# Altium PCB H-00488.PcbDoc (part 5 of 9) (continued)
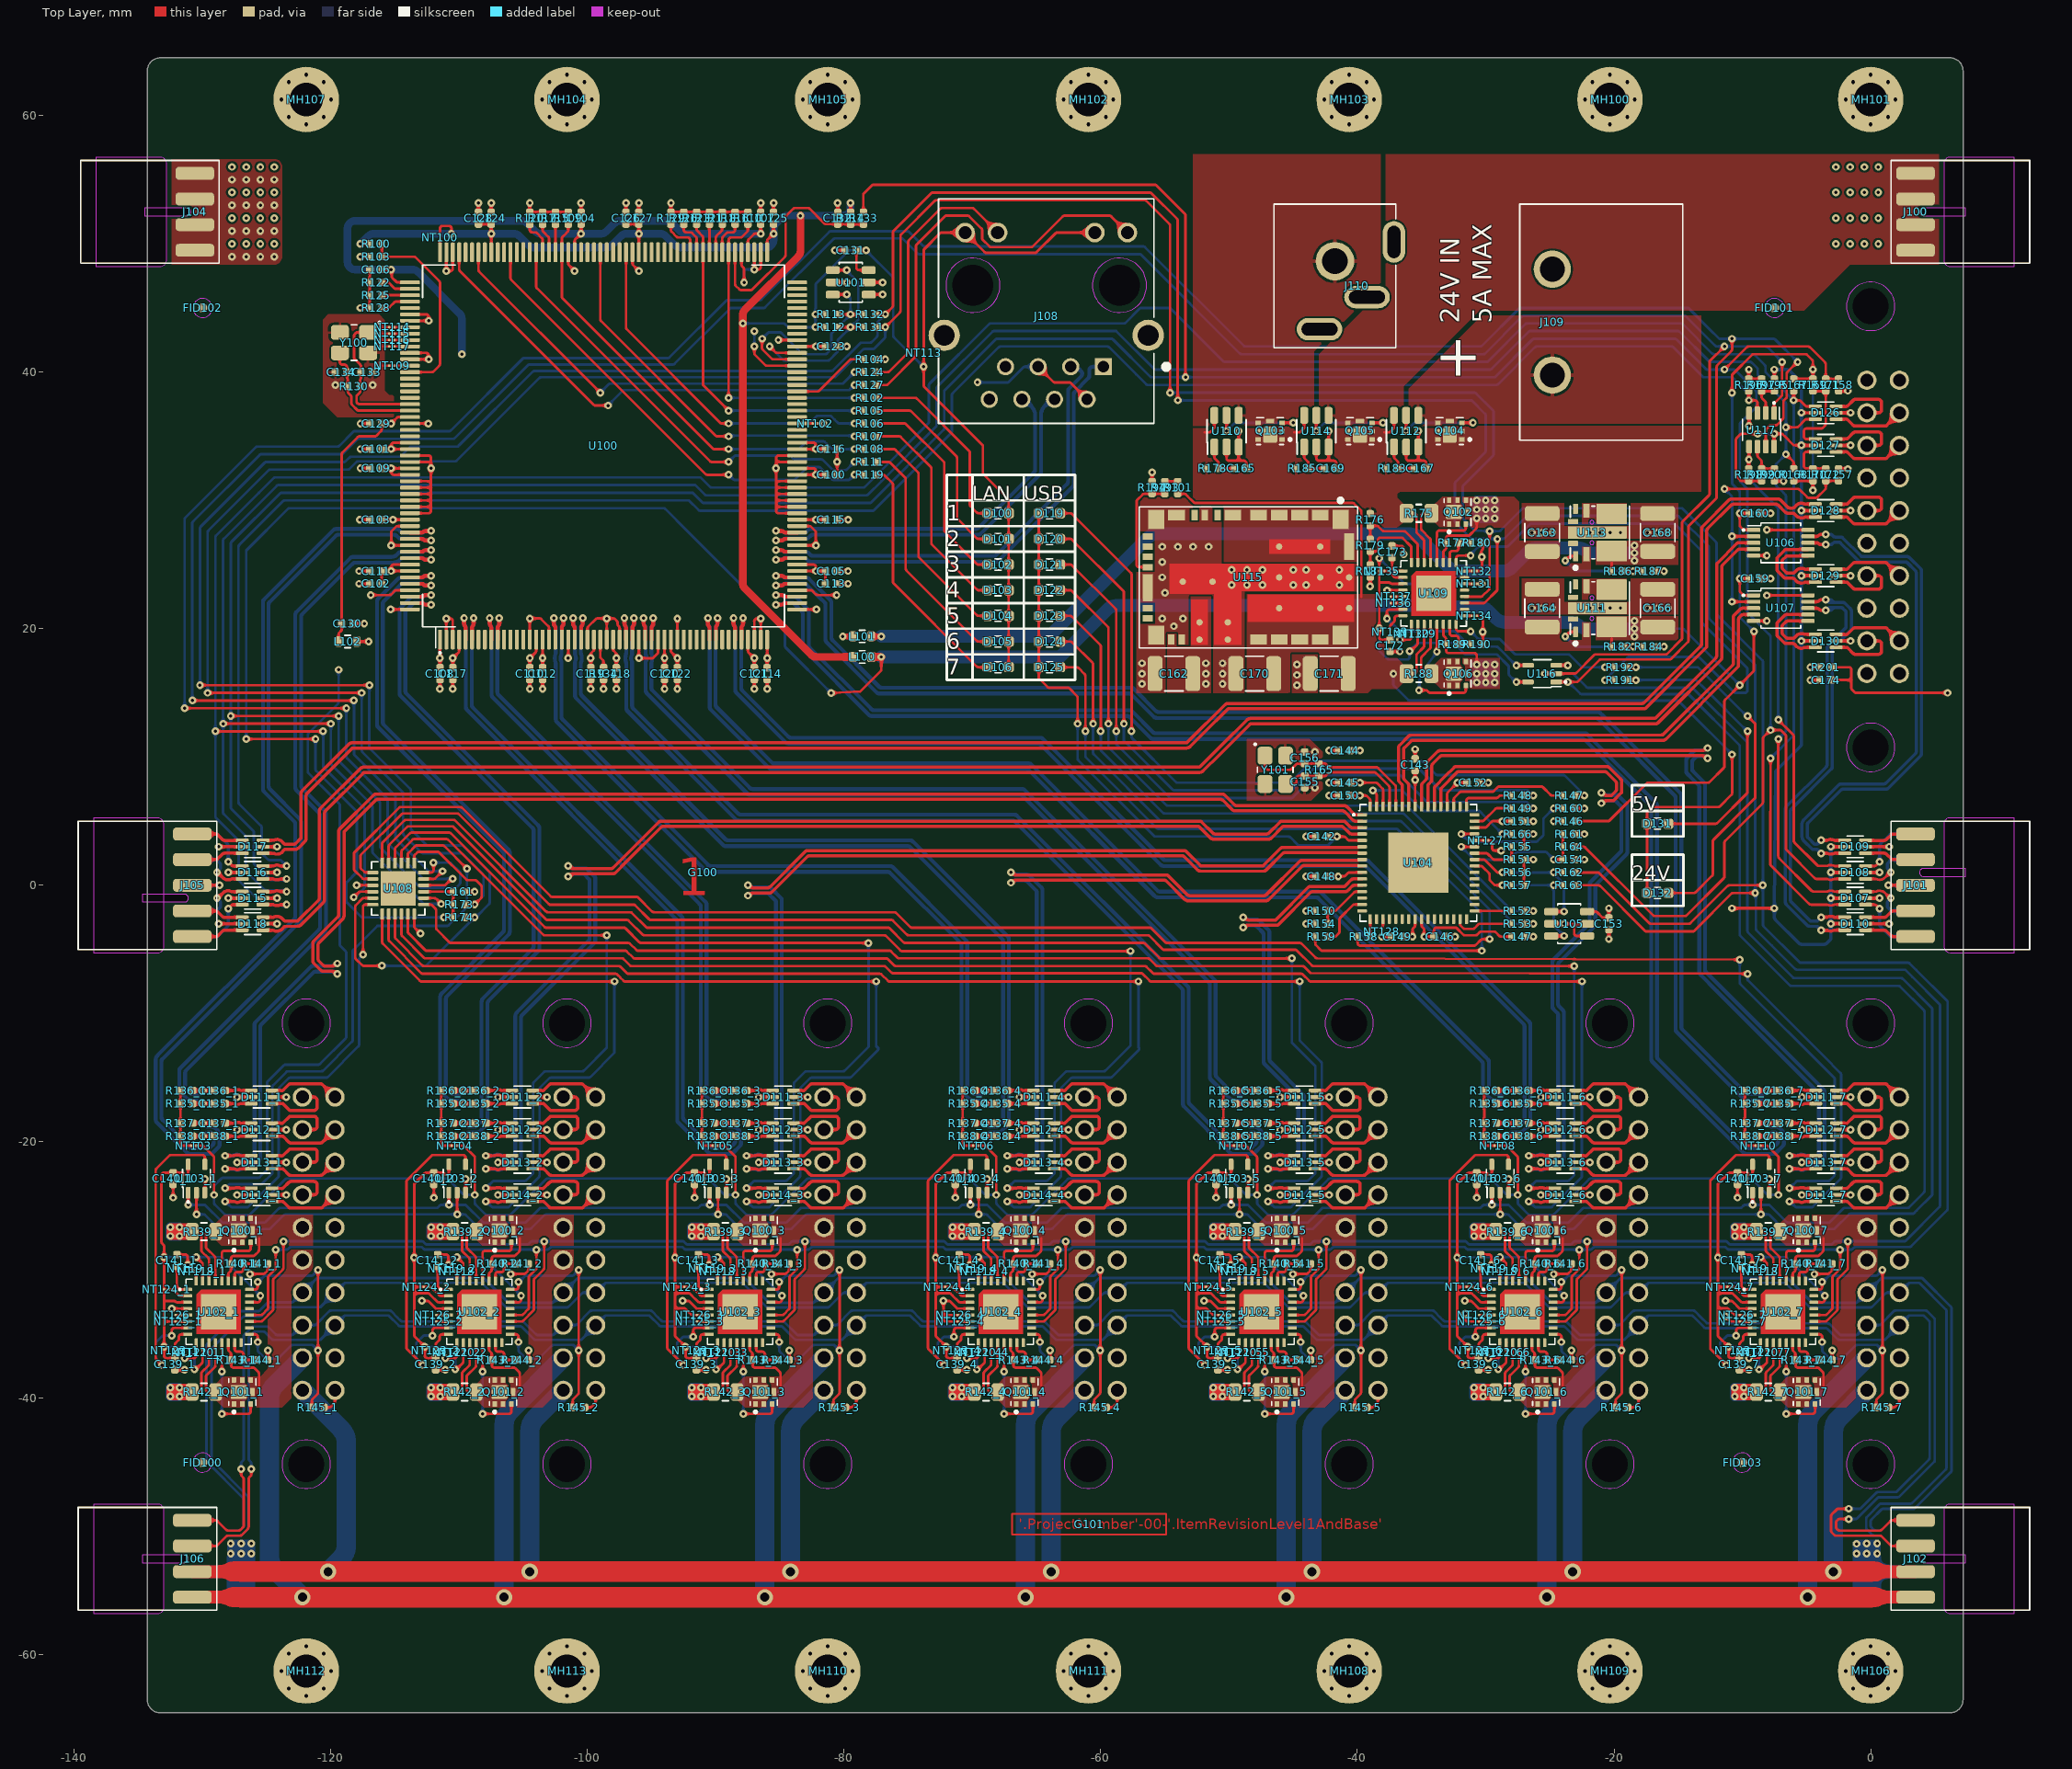
[diagram p0: Top Layer view]
## Nets (pads, with @x,y where several pads share a name; then routed paths per layer and width w, separated by ;. In a path a pad name is that pad's centre, name@x,y a point inside that pad or via, vN(x,y) a via of type N, cw(c..) or ccw(c..) an arc to the next point about the centre after c; other vN are vias at no path point) (continued)
I2C7.SDA: D114_7.6 U108.19 | length 132.3
  Top Layer w0.2: U108.19@-112.775,-1.5 -112.26,-1.5 cw(c-112.26,-1.7) -112.12,-1.558 -111.856,-1.822 cw(c-111.998,-1.963) -111.798,-1.962 -111.798,-3.32 ccw(c-111.598,-3.32) -111.739,-3.461 -110.758,-4.442 ccw(c-110.617,-4.3) -110.618,-4.5 -96.826,-4.5 cw(c-96.826,-4.7) -96.684,-4.559 -96.201,-5.041 ccw(c-96.06,-4.9) -96.06,-5.1 -76.47,-5.1 cw(c-76.47,-5.3) -76.328,-5.159 -75.851,-5.637 ccw(c-75.709,-5.495) -75.709,-5.695 -56.334,-5.695 cw(c-56.334,-5.895) -56.192,-5.754 -55.705,-6.241 ccw(c-55.564,-6.1) -55.564,-6.3 -44.283,-6.3 cw(c-44.283,-6.5) -44.141,-6.359 -43.659,-6.841 v1(-9.6,-6.9)
  Top Layer w0.25: v1(-6.322,-24.638) -5.705,-24.638 cw(c-5.706,-24.888) -5.608,-24.658 ccw(c-5.38,-24.13) -5.14,-24.653 cw(c-5.037,-24.88) -5.039,-24.63 D114_7.6@-4.28,-24.63
  Bottom Layer w0.2: v1(-9.6,-6.9) -9.6,-7.297 ccw(c-9.4,-7.297) -9.542,-7.438 -3.632,-13.348 -2.358,-14.622 cw(c-2.5,-14.763) -2.3,-14.763 -2.3,-22.746 cw(c-2.55,-22.746) -2.373,-22.923 -4.476,-25.026 cw(c-4.654,-24.85) -4.654,-25.1 -5.726,-25.1 cw(c-5.726,-24.85) -5.903,-25.027 -6.291,-24.638 v1(-6.322,-24.638)
I2C.ID-DN: D116.6 R196.2 U117.3 | length 162.1
  Top Layer w0.2: R196.2@-9.5,38.52 -9.5,38.5 -9.5,38 -9.5,37.804 v1(-9.5,37.8) -9.486,37.804 cw(c-9.429,37.612) -9.392,37.809 -9.391,37.809 -9.366,37.804 ccw(c-9.327,38) -9.328,37.8 -9.025,37.8 cw(c-9.025,37.6) -8.825,37.6 U117.3@-8.825,36.8
  Top Layer w0.25: D116.6@-125.295,1.5 -124.536,1.5 ccw(c-124.538,1.75) -124.435,1.523 cw(c-124.195,1) -123.967,1.528 ccw(c-123.869,1.758) -123.87,1.508 v1(-123.458,1.508)
  Bottom Layer w0.2: -123.862,1.912 ccw(c-124.003,1.77) -124.003,1.97 -124.787,1.97 cw(c-124.787,2.17) -124.929,2.029 -125.342,2.442 cw(c-125.2,2.583) -125.4,2.583 -125.4,4.517 ccw(c-125.6,4.517) -125.459,4.659 -127.141,6.341 cw(c-127,6.483) -127.2,6.483 -127.2,26.384 cw(c-127,26.384) -127.142,26.525 -123.725,29.941 cw(c-123.584,29.8) -123.584,30 -92.1,30 -91.359,29.259 ccw(c-91.217,29.4) -91.217,29.2 -77.783,29.2 ccw(c-77.783,29.4) -77.642,29.258 -76.4,30.5 -71.659,35.241 ccw(c-71.8,35.383) -71.6,35.383 -71.6,38.217 cw(c-71.4,38.217) -71.542,38.358 -67.959,41.941 cw(c-67.817,41.8) -67.817,42 -59.483,42 cw(c-59.483,41.8) -59.34,41.94 -57.247,39.847 -56.458,39.058 ccw(c-56.317,39.2) -56.319,39 -29.186,39 ccw(c-29.186,39.2) -29.045,39.058 -26.162,41.941 cw(c-26.02,41.8) -26.02,42 -15.526,42 cw(c-15.526,41.8) -15.384,41.941 -15.267,41.824 -13.101,39.658 ccw(c-12.96,39.8) -12.96,39.6 -10.883,39.6 cw(c-10.883,39.4) -10.741,39.541 -9.559,38.359 cw(c-9.7,38.217) -9.5,38.217 v1(-9.5,37.8) ; -123.862,1.912 v1(-123.458,1.508)
I2C.ID-UP: D108.4 R198.1 U117.5 | length 37.7
  Top Layer w0.2: R198.1@-9.5,32.48 -9.5,32.61 v1(-9.5,33.2) ; v1@-9.5,33.203 cw(c-9.7,33.204) v1(-9.5,33.2) ; U117.5@-9.475,34.2 -9.475,33.225 v1(-9.5,33.2) ; v1(-7.2,12.9) -6.259,11.959 -6.058,11.758 cw(c-6.2,11.617) -6,11.617 -6,3.483 ccw(c-5.8,3.483) -5.941,3.341 -4.181,1.581 ccw(c-4.004,1.758) -4.004,1.508 -3.435,1.508 ccw(c-3.436,1.758) -3.338,1.528 cw(c-3.11,1) -2.87,1.523 ccw(c-2.767,1.75) -2.769,1.5 D108.4@-2.01,1.5
  Bottom Layer w0.2: v1(-9.5,33.2) -9.5,31.781 ccw(c-9.3,31.783) -9.442,31.642 -8.485,30.685 -7.259,29.459 cw(c-7.4,29.317) -7.2,29.317 v1(-7.2,12.9)
I2C.SCL: D107.6 D115.4 D126.4 R167.1 U108.10 | length 243.7
  Top Layer w0.2: v1(-129,12) v1(-120.6,12) ; v1(-118.226,-0.94) -117.845,-0.559 cw(c-117.703,-0.7) -117.704,-0.5 -117.703,-0.5 U108.10@-116.725,-0.5 ; v1(-7.8,9.9) -7.824,1.689 -7.824,1.688 ccw(c-7.574,1.688) -7.752,1.512 ; R167.1@-6,38.52 -6,38.39 v1(-6,37.8) -5.583,37.8 cw(c-5.583,37.6) -5.442,37.742 -5.369,37.669 -5.088,37.388 ccw(c-4.947,37.53) -4.948,37.33 D126.4@-4.305,37.33 ; -3.435,-1.508 cw(c-3.436,-1.758) -3.338,-1.528 ccw(c-3.11,-1) -2.87,-1.523 cw(c-2.767,-1.75) -2.769,-1.5 D107.6@-2.01,-1.5 ; -3.431,-1.508 -4.628,-1.508 cw(c-4.628,-1.258) -4.805,-1.435 -7.751,1.511 ; -7.752,1.512 -7.751,1.511
  Top Layer w0.25: D115.4@-125.295,-1.5 -124.536,-1.5 cw(c-124.538,-1.75) -124.435,-1.523 ccw(c-124.195,-1) -123.967,-1.528 cw(c-123.869,-1.758) -123.87,-1.508 v1(-123.458,-1.508)
  Bottom Layer w0.2: -127.255,3.555 -128.941,5.241 cw(c-128.8,5.383) -129,5.383 v1(-129,12) -129,27.129 cw(c-128.8,27.129) -128.942,27.27 -125.606,30.606 ; -127.255,3.555 cw(c-127.397,3.414) -127.197,3.414 -127.197,0.48 ccw(c-126.997,0.48) -127.138,0.338 ; -127.138,0.338 -125.284,-1.516 ccw(c-125.142,-1.375) -125.142,-1.575 -123.962,-1.575 -123.525,-1.575 v1(-123.458,-1.508) ; -125.6,30.6 -124.459,31.741 cw(c-124.317,31.6) -124.317,31.8 -91.2,31.8 -90.459,31.059 ; v1(-120.6,12) -120.6,9.29 ccw(c-120.4,9.292) -120.541,9.15 -117.428,6.036 cw(c-117.569,5.895) -117.369,5.895 -117.369,-0.107 cw(c-117.569,-0.108) -117.427,-0.25 -118.118,-0.94 v1(-118.226,-0.94) ; -90.458,31.058 ccw(c-90.317,31.2) -90.317,31 -78.528,31 ccw(c-78.528,31.2) -78.387,31.058 -73.459,35.987 ccw(c-73.6,36.128) -73.4,36.128 -73.4,38.963 cw(c-73.2,38.963) -73.342,39.104 -68.704,43.741 cw(c-68.563,43.6) -68.563,43.8 -58.199,43.8 ccw(c-58.199,44) -58.057,43.858 -56.974,44.942 cw(c-56.833,44.8) -56.833,45 -54.683,45 cw(c-54.683,44.8) -54.542,44.942 -50.458,40.858 ccw(c-50.317,41) -50.319,40.8 -29.931,40.8 ccw(c-29.931,41) -29.79,40.858 -26.907,43.741 cw(c-26.766,43.6) -26.766,43.8 -14.781,43.8 cw(c-14.781,43.6) -14.667,43.764 -14.664,43.762 cw(c-14.778,43.598) -14.638,43.741 -12.356,41.459 ccw(c-12.216,41.601) -12.353,41.456 ccw(c-12.214,41.6) -12.214,41.4 -9.184,41.4 cw(c-9.184,41.2) -9.07,41.365 -9.067,41.362 cw(c-9.181,41.198) -9.041,41.341 -9.04,41.34 -8.259,40.559 cw(c-8.4,40.417) -8.2,40.417 -8.2,40.083 ccw(c-8,40.083) -8.141,39.941 v1(-6,37.8) -6,37 -6,11.783 cw(c-6.2,11.783) -6.059,11.641 v1(-7.8,9.9)
I2C.SDA: D107.4 D115.6 D126.6 R168.1 U108.20 | length 242.7
  Top Layer w0.2: v1(-128.4,12.6) v1(-120,12.6) ; U108.20@-112.775,-1 -111.979,-1 cw(c-111.979,-1.326) -111.747,-1.097 -111.456,-1.388 v1(-111.397,-1.447) ; -7.2,2.274 ccw(c-6.95,2.274) -7.127,2.098 -4.61,-0.419 ccw(c-4.434,-0.242) -4.434,-0.492 -3.434,-0.492 ccw(c-3.436,-0.242) -3.338,-0.472 cw(c-3.11,-1) -2.87,-0.477 ccw(c-2.767,-0.25) -2.769,-0.5 D107.4@-2.01,-0.5 ; -7.2,2.275 v1(-7.2,11.4) ; v1(-6.6,35.7) -5.783,35.7 ccw(c-5.783,35.9) -5.641,35.759 -5.129,36.271 cw(c-4.988,36.13) -4.989,36.33 ; v1@-6.442,33.442 -6.136,33.136 -6.058,33.058 cw(c-6.2,32.917) -6,32.917 -6,32.61 R168.1@-6,32.48 ; -4.988,36.33 D126.6@-4.305,36.33
  Top Layer w0.25: D115.6@-125.295,-0.5 -124.536,-0.5 ccw(c-124.538,-0.25) -124.435,-0.477 cw(c-124.195,-1) -123.967,-0.472 ccw(c-123.869,-0.242) -123.87,-0.492 v1(-123.458,-0.492)
  Bottom Layer w0.2: v1(-123.458,-0.492) -123.525,-0.425 -123.962,-0.425 -124.004,-0.383 -125.034,-0.383 cw(c-125.034,-0.183) -125.176,-0.324 -126.567,1.067 cw(c-126.425,1.208) -126.625,1.208 -126.625,3.743 ccw(c-126.825,3.743) -126.685,3.885 -128.341,5.541 cw(c-128.2,5.683) -128.4,5.683 v1(-128.4,12.6) -128.4,26.881 cw(c-128.2,26.881) -128.342,27.022 -124.222,31.141 cw(c-124.081,31) -124.081,31.2 -91.6,31.2 -90.859,30.459 ccw(c-90.717,30.6) -90.717,30.4 -78.283,30.4 ccw(c-78.283,30.6) -78.142,30.458 -77.1,31.5 ; v1(-120,12.6) -120,9.539 ccw(c-119.8,9.54) -119.941,9.399 -116.828,6.285 cw(c-116.969,6.143) -116.769,6.143 -116.769,2.652 ccw(c-116.569,2.652) -116.71,2.51 -112.812,-1.388 ccw(c-112.67,-1.247) -112.67,-1.447 -111.447,-1.447 v1@-111.4,-1.4 ; -77.099,31.499 -72.859,35.738 ccw(c-73,35.88) -72.8,35.88 -72.8,38.714 cw(c-72.6,38.714) -72.742,38.855 -68.456,43.141 cw(c-68.314,43) -68.314,43.2 -59,43.2 -58.8,43.2 -55.859,40.259 ccw(c-55.717,40.4) -55.717,40.2 -29.683,40.2 ccw(c-29.683,40.4) -29.542,40.258 -26.659,43.141 cw(c-26.517,43) -26.517,43.2 -15.028,43.2 cw(c-15.028,43) -14.886,43.141 -12.604,40.858 ccw(c-12.463,41) -12.463,40.8 -9.405,40.8 cw(c-9.405,40.6) -9.264,40.742 -8.859,40.336 cw(c-9,40.195) -8.8,40.195 -8.8,39.883 ccw(c-8.6,39.883) -8.742,39.742 -6.658,37.658 cw(c-6.8,37.517) -6.6,37.518 ; v1(-7.2,11.4) -6.659,11.941 ccw(c-6.8,12.083) -6.6,12.083 -6.6,30.317 ccw(c-6.8,30.317) -6.658,30.458 -6.789,30.589 -7.342,31.142 cw(c-7.2,31.283) -7.4,31.283 -7.4,32.718 cw(c-7.2,32.717) -7.342,32.858 v1(-6.6,33.6) ; v1(-6.6,33.6) v1(-6.6,35.7) -6.6,37.517
I2C_EXT_SCL_1: D114_1.3 J103_1.B4 | length 5.7
  Top Layer w0.2: D114_1.3@-124.59,-23.63 -123.835,-23.63
  Top Layer w0.25: -123.835,-23.63 ccw(c-123.835,-23.43) -123.693,-23.571 -123.283,-23.161 cw(c-123.106,-23.338) -123.106,-23.088 -121.321,-23.088 cw(c-121.321,-23.338) -121.071,-23.339 -121.071,-23.879 cw(c-121.321,-23.88) -121.321,-24.13 J103_1.B4@-122.22,-24.13
I2C_EXT_SCL_2: D114_2.3 J103_2.B4 | length 5.7
  Top Layer w0.2: D114_2.3@-104.27,-23.63 -103.515,-23.63
  Top Layer w0.25: -103.515,-23.63 ccw(c-103.515,-23.43) -103.373,-23.571 -102.963,-23.161 cw(c-102.786,-23.338) -102.786,-23.088 -101.001,-23.088 cw(c-101.001,-23.338) -100.751,-23.339 -100.751,-23.879 cw(c-101.001,-23.88) -101.001,-24.13 J103_2.B4@-101.9,-24.13
I2C_EXT_SCL_3: D114_3.3 J103_3.B4 | length 5.7
  Top Layer w0.2: D114_3.3@-83.95,-23.63 -83.195,-23.63
  Top Layer w0.25: -83.195,-23.63 ccw(c-83.195,-23.43) -83.053,-23.571 -82.643,-23.161 cw(c-82.466,-23.338) -82.466,-23.088 -80.681,-23.088 cw(c-80.681,-23.338) -80.431,-23.339 -80.431,-23.879 cw(c-80.681,-23.88) -80.681,-24.13 J103_3.B4@-81.58,-24.13
I2C_EXT_SCL_4: D114_4.3 J103_4.B4 | length 5.7
  Top Layer w0.2: D114_4.3@-63.63,-23.63 -62.875,-23.63
  Top Layer w0.25: -62.875,-23.63 ccw(c-62.875,-23.43) -62.733,-23.571 -62.323,-23.161 cw(c-62.146,-23.338) -62.146,-23.088 -60.361,-23.088 cw(c-60.361,-23.338) -60.111,-23.339 -60.111,-23.879 cw(c-60.361,-23.88) -60.361,-24.13 J103_4.B4@-61.26,-24.13
I2C_EXT_SCL_5: D114_5.3 J103_5.B4 | length 5.7
  Top Layer w0.2: D114_5.3@-43.31,-23.63 -42.555,-23.63
  Top Layer w0.25: -42.555,-23.63 ccw(c-42.555,-23.43) -42.413,-23.571 -42.003,-23.161 cw(c-41.826,-23.338) -41.826,-23.088 -40.041,-23.088 cw(c-40.041,-23.338) -39.791,-23.339 -39.791,-23.879 cw(c-40.041,-23.88) -40.041,-24.13 J103_5.B4@-40.94,-24.13
I2C_EXT_SCL_6: D114_6.3 J103_6.B4 | length 5.7
  Top Layer w0.2: D114_6.3@-22.99,-23.63 -22.235,-23.63
  Top Layer w0.25: -22.235,-23.63 ccw(c-22.235,-23.43) -22.093,-23.571 -21.683,-23.161 cw(c-21.506,-23.338) -21.506,-23.088 -19.721,-23.088 cw(c-19.721,-23.338) -19.471,-23.339 -19.471,-23.879 cw(c-19.721,-23.88) -19.721,-24.13 J103_6.B4@-20.62,-24.13
I2C_EXT_SCL_7: D114_7.3 J103_7.B4 | length 5.7
  Top Layer w0.2: D114_7.3@-2.67,-23.63 -1.915,-23.63
  Top Layer w0.25: -1.915,-23.63 ccw(c-1.915,-23.43) -1.773,-23.571 -1.363,-23.161 cw(c-1.186,-23.338) -1.186,-23.088 0.599,-23.088 cw(c0.599,-23.338) 0.849,-23.339 0.849,-23.879 cw(c0.599,-23.88) 0.599,-24.13 J103_7.B4@-0.3,-24.13
I2C_EXT_SDA_1: D114_1.1 J103_1.A4 | length 5.5
  Top Layer w0.25: D114_1.1@-124.59,-24.63 -123.835,-24.63 cw(c-123.835,-24.83) -123.693,-24.689 -123.292,-25.09 ccw(c-123.115,-24.913) -123.115,-25.163 -120.817,-25.163 ccw(c-120.817,-24.913) -120.64,-25.09 J103_1.A4@-119.68,-24.13
I2C_EXT_SDA_2: D114_2.1 J103_2.A4 | length 5.5
  Top Layer w0.25: D114_2.1@-104.27,-24.63 -103.515,-24.63 cw(c-103.515,-24.83) -103.373,-24.689 -102.972,-25.09 ccw(c-102.795,-24.913) -102.795,-25.163 -100.497,-25.163 ccw(c-100.497,-24.913) -100.32,-25.09 J103_2.A4@-99.36,-24.13
I2C_EXT_SDA_3: D114_3.1 J103_3.A4 | length 5.5
  Top Layer w0.25: D114_3.1@-83.95,-24.63 -83.195,-24.63 cw(c-83.195,-24.83) -83.053,-24.689 -82.652,-25.09 ccw(c-82.475,-24.913) -82.475,-25.163 -80.177,-25.163 ccw(c-80.177,-24.913) -80,-25.09 J103_3.A4@-79.04,-24.13
I2C_EXT_SDA_4: D114_4.1 J103_4.A4 | length 5.5
  Top Layer w0.25: D114_4.1@-63.63,-24.63 -62.875,-24.63 cw(c-62.875,-24.83) -62.733,-24.689 -62.332,-25.09 ccw(c-62.155,-24.913) -62.155,-25.163 -59.857,-25.163 ccw(c-59.857,-24.913) -59.68,-25.09 J103_4.A4@-58.72,-24.13
I2C_EXT_SDA_5: D114_5.1 J103_5.A4 | length 5.5
  Top Layer w0.25: D114_5.1@-43.31,-24.63 -42.555,-24.63 cw(c-42.555,-24.83) -42.413,-24.689 -42.012,-25.09 ccw(c-41.835,-24.913) -41.835,-25.163 -39.537,-25.163 ccw(c-39.537,-24.913) -39.36,-25.09 J103_5.A4@-38.4,-24.13
I2C_EXT_SDA_6: D114_6.1 J103_6.A4 | length 5.5
  Top Layer w0.25: D114_6.1@-22.99,-24.63 -22.235,-24.63 cw(c-22.235,-24.83) -22.093,-24.689 -21.692,-25.09 ccw(c-21.515,-24.913) -21.515,-25.163 -19.217,-25.163 ccw(c-19.217,-24.913) -19.04,-25.09 J103_6.A4@-18.08,-24.13
I2C_EXT_SDA_7: D114_7.1 J103_7.A4 | length 5.5
  Top Layer w0.25: D114_7.1@-2.67,-24.63 -1.915,-24.63 cw(c-1.915,-24.83) -1.773,-24.689 -1.372,-25.09 ccw(c-1.195,-24.913) -1.195,-25.163 1.103,-25.163 ccw(c1.103,-24.913) 1.28,-25.09 J103_7.A4@2.24,-24.13
LAN1.RX_N: C138_1.1 R138_1.1 U100.197 | length 70.8
  Top Layer w0.3: R138_1.1@-130.757,-19.558 v1(-129.967,-19.558) C138_1.1@-129.152,-19.558 ; U100.197@-113.84,27 -112.932,27 cw(c-112.932,26.751) -112.76,26.931 ccw(c-112.621,27.075) -112.62,26.875 v1(-112.18,26.875)
  Bottom Layer w0.3: v1(-129.967,-19.558) -129.772,-19.363 cw(c-129.56,-19.575) -129.56,-19.275 -129.426,-19.275 cw(c-129.426,-19.575) -129.126,-19.576 -129.126,-20.024 cw(c-129.426,-20.024) -129.213,-20.235 -129.268,-20.29 -129.333,-20.355 -129.375,-20.397 cw(c-129.587,-20.185) -129.587,-20.485 -130.804,-20.485 cw(c-130.804,-20.185) -131.015,-20.397 -133.112,-18.3 cw(c-132.9,-18.088) -133.2,-18.09 -133.2,-13.724 cw(c-132.9,-13.724) -133.112,-13.512 -122.407,-2.807 ccw(c-122.619,-2.595) -122.319,-2.595 -122.319,4.87 ccw(c-122.769,4.87) -122.452,5.189 -124.76,7.497 cw(c-124.548,7.71) -124.848,7.71 -124.848,21.891 cw(c-124.548,21.891) -124.76,22.103 -119.626,27.237 cw(c-119.414,27.025) -119.414,27.325 -115.086,27.325 cw(c-115.086,27.025) -114.874,27.236 -114.75,27.113 ccw(c-114.538,27.325) -114.538,27.025 -112.96,27.025 cw(c-112.96,26.725) -112.774,26.961 -112.746,26.939 ccw(c-112.561,27.175) -112.561,26.875 v1(-112.18,26.875)
LAN1.RX_P: C137_1.1 R137_1.1 U100.196 | length 73.7
  Top Layer w0.3: R137_1.1@-130.757,-18.542 v1(-129.967,-18.542) C137_1.1@-129.152,-18.542 ; U100.196@-113.84,27.5 -112.932,27.5 ccw(c-112.932,27.749) -112.76,27.569 cw(c-112.621,27.425) -112.62,27.625 v1(-112.18,27.625)
  Bottom Layer w0.3: v1(-129.967,-18.542) -129.771,-18.738 ccw(c-129.56,-18.525) -129.56,-18.825 -129.41,-18.825 cw(c-129.41,-19.559) -128.676,-19.561 -128.676,-20.21 cw(c-128.976,-20.21) -128.763,-20.421 -128.908,-20.566 -129.188,-20.847 cw(c-129.4,-20.635) -129.4,-20.935 -130.99,-20.935 cw(c-130.99,-20.635) -131.202,-20.847 -133.562,-18.487 cw(c-133.35,-18.274) -133.65,-18.274 -133.65,-13.6 cw(c-133.2,-13.6) -133.518,-13.281 -122.857,-2.62 ccw(c-123.069,-2.408) -122.769,-2.408 -122.769,4.745 ccw(c-123.069,4.745) -122.857,4.958 -125.21,7.311 cw(c-124.998,7.523) -125.298,7.523 -125.298,22.078 cw(c-124.998,22.078) -125.21,22.29 -125.079,22.421 ; -125.078,22.422 -119.813,27.687 cw(c-119.601,27.475) -119.602,27.775 -119.601,27.775 -114.9,27.775 cw(c-114.9,27.475) -114.687,27.686 -114.564,27.563 ccw(c-114.351,27.775) -114.351,27.475 -112.96,27.475 ccw(c-112.96,27.775) -112.774,27.539 -112.746,27.561 cw(c-112.561,27.325) -112.561,27.625 v1(-112.18,27.625)
LAN1.TX_N: C136_1.1 R136_1.1 U100.200 | length 59.1
  Top Layer w0.3: R136_1.1@-130.757,-16.002 v1(-129.967,-16.002) C136_1.1@-129.152,-16.002 ; U100.200@-113.84,25.5 -112.932,25.5 cw(c-112.932,25.251) -112.76,25.431 ccw(c-112.621,25.575) -112.62,25.375 v1(-112.18,25.375)
  Bottom Layer w0.3: v1(-129.967,-16.002) -130.163,-16.198 cw(c-130.374,-15.985) -130.374,-16.285 -130.796,-16.285 cw(c-130.796,-15.985) -131.008,-16.197 -131.271,-15.935 cw(c-131.059,-15.723) -131.359,-15.723 -131.359,-14.634 cw(c-131.059,-14.634) -131.271,-14.422 -120.521,-3.672 ccw(c-120.839,-3.354) -120.389,-3.354 -120.389,5.544 ccw(c-120.839,5.544) -120.522,5.864 -122.231,7.573 cw(c-122.019,7.785) -122.319,7.785 -122.319,20.92 cw(c-122.019,20.92) -122.231,21.133 -118.302,25.062 cw(c-118.089,24.85) -118.089,25.15 -115.267,25.15 ccw(c-115.267,26.154) -114.918,25.213 cw(c-114.814,24.931) -114.857,25.228 ccw(c-114.9,25.525) -114.687,25.314 -114.564,25.437 cw(c-114.351,25.225) -114.351,25.525 -112.96,25.525 cw(c-112.96,25.225) -112.774,25.461 -112.746,25.439 ccw(c-112.561,25.675) -112.561,25.375 v1(-112.18,25.375)
LAN1.TX_P: C135_1.1 R135_1.1 U100.199 | length 60.6
  Top Layer w0.3: R135_1.1@-130.757,-17.018 v1(-129.967,-17.018) C135_1.1@-129.152,-17.018 ; U100.199@-113.84,26 -112.932,26 ccw(c-112.932,26.249) -112.76,26.069 cw(c-112.621,25.925) -112.62,26.125 v1(-112.18,26.125)
  Bottom Layer w0.3: v1(-129.967,-17.018) -130.162,-16.823 ccw(c-130.374,-17.035) -130.374,-16.735 -130.983,-16.735 cw(c-130.983,-16.435) -131.195,-16.647 -131.721,-16.121 cw(c-131.509,-15.909) -131.809,-15.909 -131.809,-14.448 cw(c-131.509,-14.448) -131.721,-14.236 -120.926,-3.442 ccw(c-121.139,-3.229) -120.839,-3.229 -120.839,5.42 ccw(c-121.139,5.42) -120.927,5.632 -122.681,7.386 cw(c-122.469,7.598) -122.769,7.598 -122.769,21.107 cw(c-122.469,21.107) -122.681,21.319 -118.488,25.512 cw(c-118.276,25.3) -118.276,25.6 -115.267,25.6 ccw(c-115.267,26.154) -114.874,25.764 -114.75,25.887 cw(c-114.538,25.675) -114.538,25.975 -112.96,25.975 ccw(c-112.96,26.275) -112.774,26.039 -112.746,26.061 cw(c-112.561,25.825) -112.561,26.125 v1(-112.18,26.125)
LAN1.VDD: NT103.2 R135_1.2 R136_1.2 R137_1.2 R138_1.2 | length 5
  Top Layer w0.2: R136_1.2@-131.717,-16.002 R137_1.2@-131.717,-18.542 R138_1.2@-131.717,-19.558 -131.717,-20.101 ccw(c-131.517,-20.1) -131.517,-20.3 NT103.2@-130.9,-20.3
LAN2.RX_N: C138_2.1 R138_2.1 U100.207 | length 53.7
  Top Layer w0.3: U100.207@-113.84,22 -112.932,22 cw(c-112.932,21.751) -112.76,21.931 ccw(c-112.621,22.075) -112.62,21.875 v1(-112.18,21.875) ; R138_2.1@-110.437,-19.558 v1(-109.647,-19.558) C138_2.1@-108.832,-19.558
  Bottom Layer w0.3: v1(-112.18,21.875) -112.561,21.875 cw(c-112.561,22.175) -112.746,21.939 -112.774,21.961 ccw(c-112.96,21.725) -112.96,22.025 -113.411,22.025 ccw(c-113.411,21.725) -113.623,21.937 -114.108,21.453 ccw(c-113.896,21.24) -114.196,21.24 -114.196,15.15 ccw(c-113.896,15.151) -114.108,14.939 -103.882,4.713 cw(c-104.2,4.394) -103.75,4.394 -103.75,-4.926 cw(c-104.05,-4.926) -103.838,-5.138 -107.717,-9.017 ccw(c-107.506,-9.23) -107.806,-9.23 -107.806,-18.449 cw(c-108.106,-18.449) -107.893,-18.661 -108.419,-19.187 cw(c-108.631,-18.975) -108.631,-19.275 -109.24,-19.275 ccw(c-109.24,-19.575) -109.452,-19.363 v1(-109.647,-19.558)
LAN2.RX_P: C137_2.1 R137_2.1 U100.206 | length 53.7
  Top Layer w0.3: U100.206@-113.84,22.5 -112.932,22.5 ccw(c-112.932,22.749) -112.76,22.569 cw(c-112.621,22.425) -112.62,22.625 v1(-112.18,22.625) ; R137_2.1@-110.437,-18.542 v1(-109.647,-18.542) C137_2.1@-108.832,-18.542
  Bottom Layer w0.3: v1(-112.18,22.625) -112.561,22.625 ccw(c-112.561,22.325) -112.746,22.561 -112.774,22.539 cw(c-112.96,22.775) -112.96,22.475 -113.598,22.475 ccw(c-113.598,22.175) -113.81,22.387 -114.558,21.639 ccw(c-114.346,21.426) -114.646,21.426 -114.646,14.965 ccw(c-114.346,14.965) -114.558,14.753 -104.288,4.482 cw(c-104.5,4.27) -104.2,4.27 -104.2,-4.739 cw(c-104.5,-4.739) -104.288,-4.951 -108.123,-8.787 ccw(c-107.806,-9.106) -108.256,-9.106 -108.256,-18.263 cw(c-108.556,-18.263) -108.343,-18.475 -108.606,-18.737 cw(c-108.818,-18.525) -108.818,-18.825 -109.24,-18.825 cw(c-109.24,-18.525) -109.451,-18.738 v1(-109.647,-18.542)
LAN2.TX_N: C136_2.1 R136_2.1 U100.204 | length 53.4
  Top Layer w0.3: U100.204@-113.84,23.5 -112.932,23.5 cw(c-112.932,23.251) -112.76,23.431 ccw(c-112.621,23.575) -112.62,23.375 v1(-112.18,23.375) ; R136_2.1@-110.437,-16.002 v1(-109.647,-16.002) C136_2.1@-108.832,-16.002
  Bottom Layer w0.3: v1(-112.18,23.375) -112.561,23.375 cw(c-112.561,23.675) -112.746,23.439 -112.774,23.461 ccw(c-112.96,23.225) -112.96,23.525 -114.37,23.525 ccw(c-114.37,23.225) -114.582,23.437 -115.862,22.158 ccw(c-115.65,21.945) -115.95,21.945 -115.95,12.707 ccw(c-115.65,12.707) -115.862,12.495 -106.182,2.814 cw(c-106.5,2.496) -106.05,2.496 -106.05,-3.564 cw(c-106.5,-3.564) -106.182,-3.882 -110.951,-8.651 ccw(c-110.739,-8.863) -111.039,-8.863 -111.039,-15.723 ccw(c-110.739,-15.723) -110.951,-15.935 -110.688,-16.197 ccw(c-110.476,-15.985) -110.476,-16.285 -110.054,-16.285 ccw(c-110.054,-15.985) -109.843,-16.198 v1(-109.647,-16.002)
LAN2.TX_P: C135_2.1 R135_2.1 U100.203 | length 54.8
  Top Layer w0.3: U100.203@-113.84,24 -112.932,24 ccw(c-112.932,24.249) -112.76,24.069 cw(c-112.621,23.925) -112.62,24.125 v1(-112.18,24.125) ; R135_2.1@-110.437,-17.018 v1(-109.647,-17.018) C135_2.1@-108.832,-17.018
  Bottom Layer w0.3: v1(-112.18,24.125) -112.561,24.125 ccw(c-112.561,23.825) -112.746,24.061 -112.774,24.039 cw(c-112.96,24.275) -112.96,23.975 -114.557,23.975 ccw(c-114.557,23.675) -114.769,23.887 -116.312,22.344 ccw(c-116.1,22.132) -116.4,22.132 -116.4,12.52 ccw(c-116.1,12.52) -116.312,12.308 -106.588,2.584 cw(c-106.8,2.372) -106.5,2.372 -106.5,-3.439 cw(c-106.8,-3.439) -106.588,-3.651 -111.356,-8.42 ccw(c-111.039,-8.738) -111.489,-8.738 -111.489,-15.909 ccw(c-111.189,-15.909) -111.401,-16.121 -110.875,-16.647 ccw(c-110.663,-16.435) -110.663,-16.735 -110.054,-16.735 cw(c-110.054,-17.035) -109.842,-16.823 v1(-109.647,-17.018)
LAN2.VDD: NT104.2 R135_2.2 R136_2.2 R137_2.2 R138_2.2 | length 5
  Top Layer w0.2: R136_2.2@-111.397,-16.002 R135_2.2@-111.397,-17.018 R137_2.2@-111.397,-18.542 R138_2.2@-111.397,-19.558 -111.397,-20.101 ccw(c-111.197,-20.1) -111.197,-20.3 NT104.2@-110.58,-20.3
LAN3.RX_N: C138_3.1 R138_3.1 U100.6 | length 55.9
  Top Layer w0.3: U100.6@-109,19.16 -109,20.068 cw(c-108.751,20.068) -108.931,20.24 ccw(c-109.075,20.379) -108.875,20.38 v1(-108.875,20.82) ; R138_3.1@-90.117,-19.558 v1(-89.327,-19.558) C138_3.1@-88.512,-19.558
  Bottom Layer w0.3: v1(-108.875,20.82) -108.875,20.439 cw(c-109.175,20.439) -108.939,20.254 -108.961,20.226 ccw(c-108.725,20.04) -109.025,20.04 -109.025,14.061 ccw(c-108.725,14.061) -108.937,13.849 -92.692,-2.397 cw(c-93.01,-2.715) -92.56,-2.715 -92.56,-18.09 ccw(c-92.26,-18.088) -92.472,-18.3 -90.375,-20.397 ccw(c-90.164,-20.185) -90.164,-20.485 -89.045,-20.485 ccw(c-89.045,-20.185) -88.833,-20.397 -88.574,-20.138 ccw(c-88.786,-19.925) -88.486,-19.925 -88.486,-19.576 ccw(c-88.786,-19.575) -88.786,-19.275 -88.92,-19.275 ccw(c-88.92,-19.575) -89.132,-19.363 v1(-89.327,-19.558)
LAN3.RX_P: C137_3.1 R137_3.1 U100.5 | length 58.1
  Top Layer w0.3: v1(-109.625,20.82) -109.625,20.38 ccw(c-109.425,20.379) -109.569,20.24 cw(c-109.749,20.068) -109.5,20.068 U100.5@-109.5,19.16 ; R137_3.1@-90.117,-18.542 v1(-89.327,-18.542) C137_3.1@-88.512,-18.542
  Bottom Layer w0.3: v1(-109.625,20.82) -109.625,20.439 ccw(c-109.325,20.439) -109.561,20.254 -109.539,20.226 cw(c-109.775,20.04) -109.475,20.04 -109.475,13.873 ccw(c-109.175,13.874) -109.387,13.662 -93.098,-2.627 cw(c-93.31,-2.839) -93.01,-2.839 -93.01,-18.274 ccw(c-92.71,-18.274) -92.922,-18.487 -90.562,-20.847 ccw(c-90.35,-20.635) -90.35,-20.935 -88.859,-20.935 ccw(c-88.859,-20.635) -88.647,-20.847 -88.124,-20.324 ccw(c-88.336,-20.112) -88.036,-20.112 -88.036,-19.561 ccw(c-88.77,-19.559) -88.77,-18.825 -88.92,-18.825 cw(c-88.92,-18.525) -89.131,-18.738 v1(-89.327,-18.542)
LAN3.TX_N: C136_3.1 R136_3.1 U100.10 | length 48.4
  Top Layer w0.3: U100.10@-107,19.16 -107,20.068 cw(c-106.751,20.068) -106.931,20.24 ccw(c-107.075,20.379) -106.875,20.38 v1(-106.875,20.82) ; R136_3.1@-90.117,-16.002 v1(-89.327,-16.002) C136_3.1@-88.512,-16.002
  Bottom Layer w0.3: v1(-106.875,20.82) -106.875,20.439 cw(c-107.175,20.439) -106.939,20.254 -106.961,20.226 ccw(c-106.725,20.04) -107.025,20.04 -107.025,15.055 ccw(c-106.725,15.055) -106.937,14.843 -90.807,-1.288 cw(c-91.019,-1.5) -90.719,-1.5 -90.719,-15.723 ccw(c-90.419,-15.723) -90.631,-15.935 -90.368,-16.197 ccw(c-90.156,-15.985) -90.156,-16.285 -89.734,-16.285 ccw(c-89.734,-15.985) -89.523,-16.198 v1(-89.327,-16.002)
LAN3.TX_P: C135_3.1 R135_3.1 U100.9 | length 49.1
  Top Layer w0.3: v1(-107.625,20.82) -107.625,20.38 ccw(c-107.425,20.379) -107.569,20.24 cw(c-107.749,20.068) -107.5,20.068 U100.9@-107.5,19.16 ; R135_3.1@-90.117,-17.018 v1(-89.327,-17.018) C135_3.1@-88.512,-17.018
  Bottom Layer w0.3: v1(-107.625,20.82) -107.625,20.439 ccw(c-107.325,20.439) -107.561,20.254 -107.539,20.226 cw(c-107.775,20.04) -107.475,20.04 -107.475,14.869 ccw(c-107.175,14.869) -107.387,14.656 -91.257,-1.474 cw(c-91.469,-1.687) -91.169,-1.687 -91.169,-15.909 ccw(c-90.869,-15.909) -91.081,-16.121 -90.555,-16.647 ccw(c-90.343,-16.435) -90.343,-16.735 -89.734,-16.735 cw(c-89.734,-17.035) -89.522,-16.823 v1(-89.327,-17.018)
LAN3.VDD: NT105.2 R135_3.2 R136_3.2 R137_3.2 R138_3.2 | length 5
  Top Layer w0.2: R136_3.2@-91.077,-16.002 R135_3.2@-91.077,-17.018 R137_3.2@-91.077,-18.542 R138_3.2@-91.077,-19.558 -91.077,-20.101 ccw(c-90.877,-20.1) -90.877,-20.3 NT105.2@-90.26,-20.3
LAN4.RX_N: C138_4.1 R138_4.1 U100.23 | length 67.2
  Top Layer w0.3: U100.23@-100.5,19.16 -100.5,20.068 cw(c-100.251,20.068) -100.431,20.24 ccw(c-100.575,20.379) -100.375,20.38 v1(-100.375,20.82) ; R138_4.1@-69.797,-19.558 v1(-69.007,-19.558) C138_4.1@-68.192,-19.558
  Bottom Layer w0.3: v1(-100.375,20.82) -100.375,20.439 cw(c-100.675,20.439) -100.439,20.254 -100.461,20.226 ccw(c-100.225,20.04) -100.525,20.04 -100.525,18.144 ccw(c-100.225,18.144) -100.508,18.045 cw(c-101.5,17.7) -100.508,17.355 ccw(c-100.225,17.256) -100.525,17.256 -100.525,16.501 -100.525,14.986 ccw(c-100.225,14.986) -100.437,14.774 -89.251,3.588 ccw(c-89.039,3.8) -89.039,3.5 -74.862,3.5 cw(c-74.862,3.2) -74.647,3.41 -74.519,3.282 cw(c-75.048,2.75) -74.517,3.279 -67.254,-3.984 cw(c-67.466,-4.196) -67.166,-4.196 -67.166,-18.449 cw(c-67.466,-18.449) -67.253,-18.661 -67.779,-19.187 cw(c-67.991,-18.975) -67.991,-19.275 -68.6,-19.275 ccw(c-68.6,-19.575) -68.812,-19.363 v1(-69.007,-19.558)
LAN4.RX_P: C137_4.1 R137_4.1 U100.22 | length 66.4
  Top Layer w0.3: v1(-101.125,20.82) -101.125,20.38 ccw(c-100.925,20.379) -101.069,20.24 cw(c-101.249,20.068) -101,20.068 U100.22@-101,19.16 ; R137_4.1@-69.797,-18.542 v1(-69.007,-18.542) C137_4.1@-68.192,-18.542
  Bottom Layer w0.3: v1(-101.125,20.82) -101.125,20.439 ccw(c-100.825,20.439) -101.061,20.254 -101.039,20.226 cw(c-101.275,20.04) -100.975,20.04 -100.975,18.06 ccw(c-100.675,18.06) -100.95,17.94 cw(c-101.5,17.7) -100.95,17.46 ccw(c-100.675,17.34) -100.975,17.34 -100.975,17.18 -100.975,16.5 -100.975,14.799 ccw(c-100.675,14.799) -100.887,14.587 -89.438,3.138 ccw(c-89.226,3.35) -89.226,3.05 -75.048,3.05 cw(c-75.048,2.75) -74.836,2.962 -67.703,-4.171 cw(c-67.916,-4.383) -67.616,-4.383 -67.616,-18.263 cw(c-67.916,-18.263) -67.703,-18.475 -67.966,-18.737 cw(c-68.178,-18.525) -68.178,-18.825 -68.6,-18.825 cw(c-68.6,-18.525) -68.811,-18.738 v1(-69.007,-18.542)
LAN4.TX_N: C136_4.1 R136_4.1 U100.20 | length 63.1
  Top Layer w0.3: U100.20@-102,19.16 -102,20.068 cw(c-101.751,20.068) -101.931,20.24 ccw(c-102.075,20.379) -101.875,20.38 v1(-101.875,20.82) ; R136_4.1@-69.797,-16.002 v1(-69.007,-16.002) C136_4.1@-68.192,-16.002
  Bottom Layer w0.3: v1(-101.875,20.82) -101.875,20.439 cw(c-102.175,20.439) -101.939,20.254 -101.961,20.226 ccw(c-101.725,20.04) -102.025,20.04 -102.025,18.06 cw(c-102.325,18.06) -102.05,17.94 ccw(c-101.5,17.7) -102.05,17.46 cw(c-102.325,17.34) -102.025,17.34 -102.025,17.18 -102.025,16.5 -102.025,13.125 ccw(c-101.725,13.125) -101.937,12.913 -90.612,1.588 ccw(c-90.4,1.8) -90.4,1.5 -76.424,1.5 cw(c-76.424,1.2) -76.212,1.412 -70.487,-4.313 cw(c-70.699,-4.526) -70.399,-4.526 -70.399,-15.723 ccw(c-70.099,-15.723) -70.311,-15.935 -70.048,-16.197 ccw(c-69.836,-15.985) -69.836,-16.285 -69.414,-16.285 ccw(c-69.414,-15.985) -69.203,-16.198 v1(-69.007,-16.002)